# Allegro board PCIE_FIBER_BOARD-1116.brd (continued)
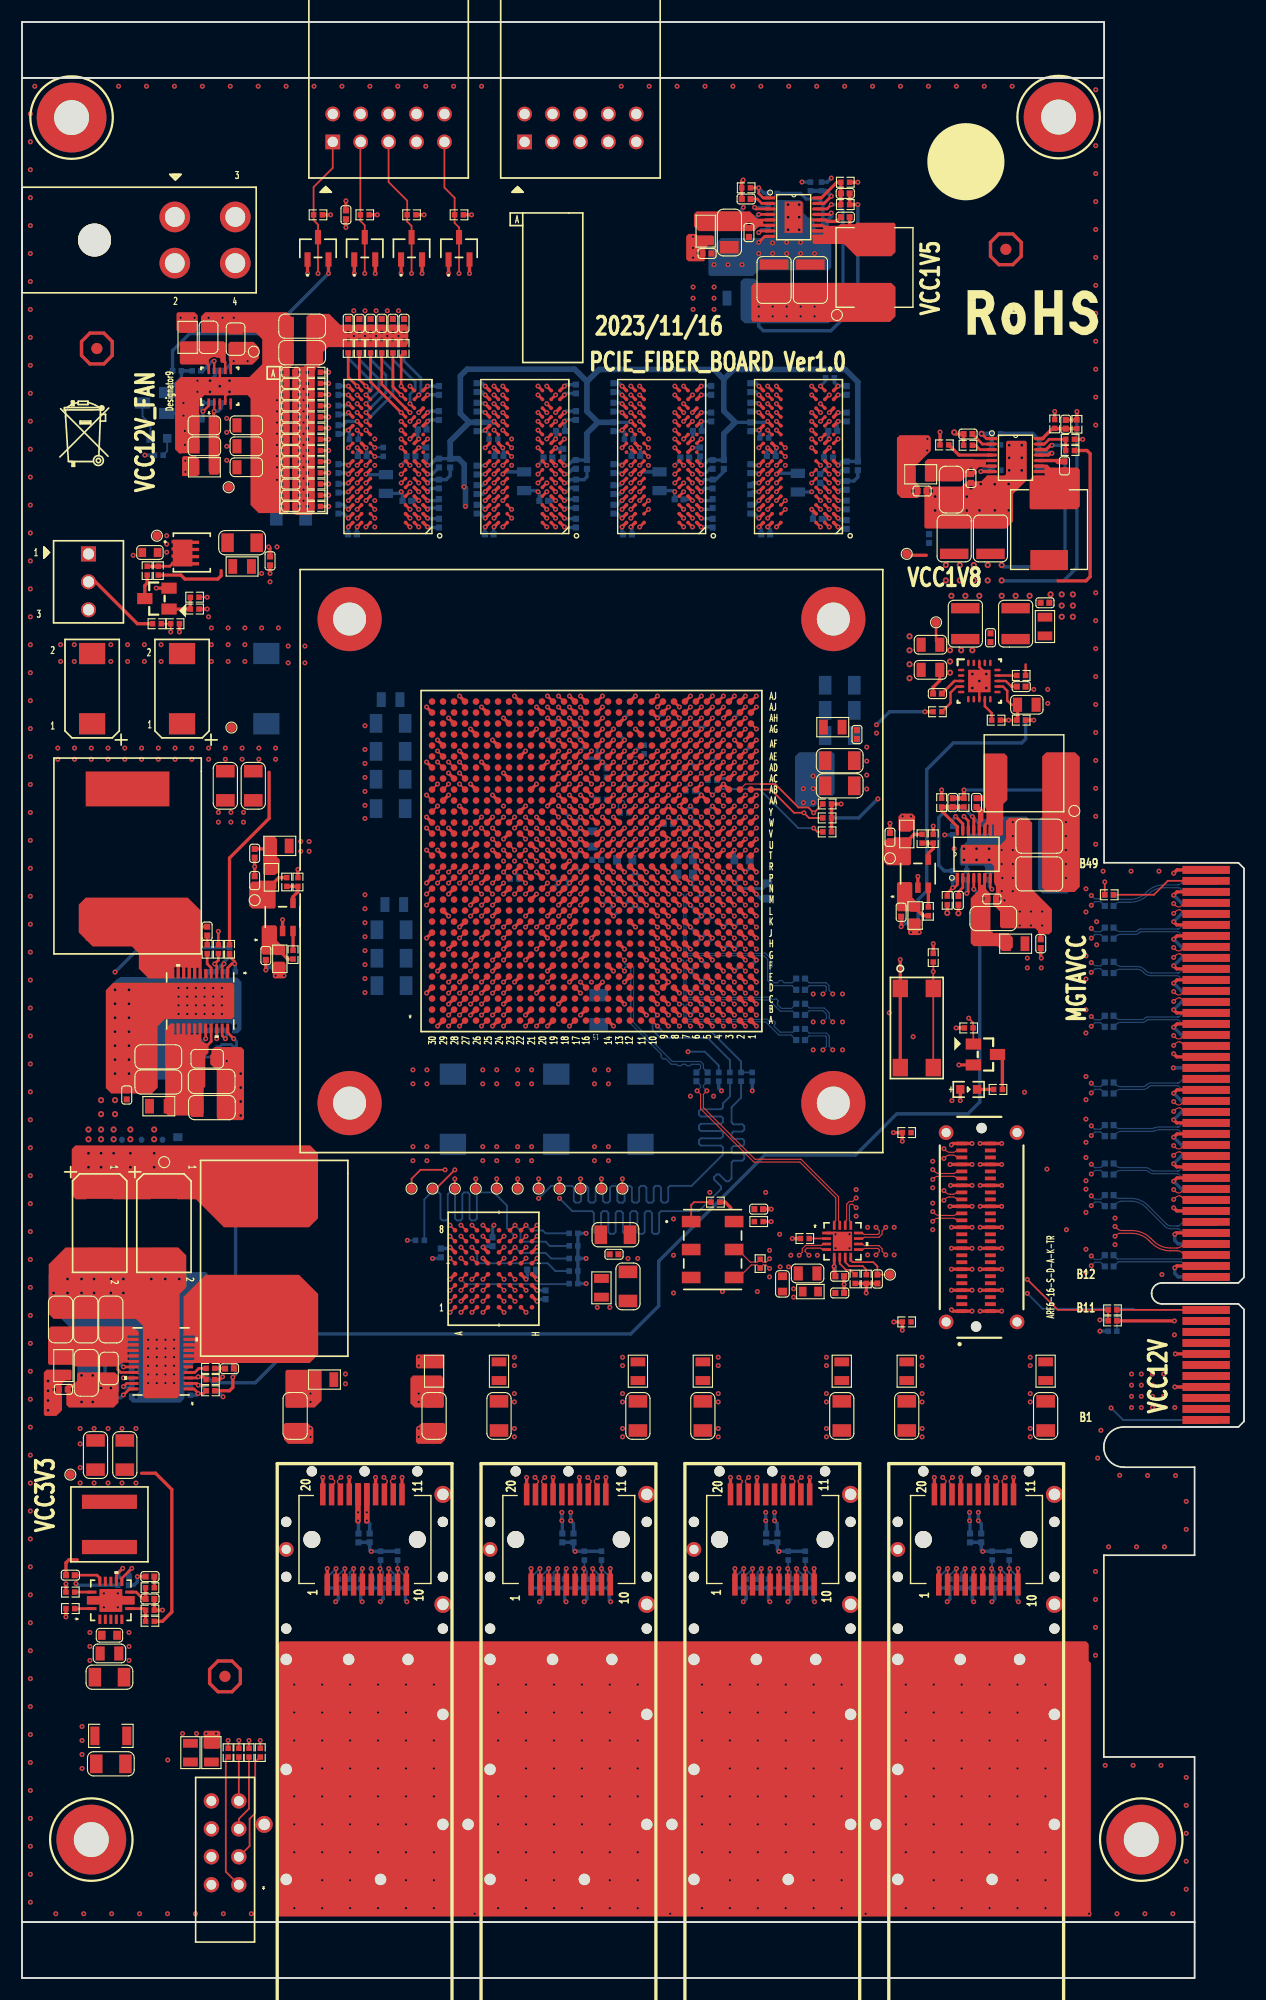
[diagram p0: board, top side]
## Routing (per net, layer and track width the routed paths; a pad name or vN(x,y) marks a point on that pad's centre or on a via; arc(x,y) is an arc through that point) (continued)
BPI_FLASH_A_25: length 79.8
  TOP w0.165: U247.N30 v1(36.8,98.53) ; U248.B8 v1(39.93,68.43)
  ART03 w0.117: v1(36.8,98.53) 36.25,98.53 35.89,98.17 35.72,98.17 35.41,98.48 35.25,98.48 35.08,98.31 35.08,98.15 35.39,97.83 35.39,97.67 35.23,97.5 35.06,97.5 34.75,97.82 34.58,97.82 34.42,97.65 34.42,97.49 34.73,97.17 34.73,97.01 34.57,96.84 34.4,96.84 34.09,97.16 33.92,97.16 33.76,96.99 33.76,96.83 34.07,96.51 34.07,96.35 33.63,95.91 33.63,95.21 33.52,95.1 32.1,95.1 31.98,94.98 31.98,94.75 32.1,94.63 33.52,94.63 33.63,94.51 33.63,94.07 33.52,93.96 31.77,93.96 31.65,93.84 31.65,93.61 31.77,93.49 33.52,93.49 33.63,93.37 33.63,93.14 33.52,93.02 31.77,93.02 31.65,92.91 31.65,92.67 31.77,92.55 33.52,92.55 33.63,92.44 33.63,92.2 33.52,92.09 31.77,92.09 31.65,91.97 31.65,91.74 31.77,91.62 33.52,91.62 33.63,91.5 33.63,91.27 33.52,91.15 31.77,91.15 31.65,91.04 31.65,90.8 31.77,90.69 33.52,90.69 33.63,90.57 33.63,90.33 33.52,90.22 31.77,90.22 31.65,90.1 31.65,89.87 31.77,89.75 33.52,89.75 33.63,89.63 33.63,89.4 33.52,89.28 31.77,89.28 31.65,89.17 31.65,88.93 31.77,88.82 33.52,88.82 33.63,88.7 33.63,88.38 33.52,88.26 32.09,88.26 31.97,88.15 31.97,87.91 32.09,87.79 33.52,87.79 33.63,87.68 33.63,87.44 33.52,87.33 32.09,87.33 31.97,87.21 31.97,86.98 32.09,86.86 33.52,86.86 33.63,86.74 33.63,69.4 35.16,67.88 35.92,67.88 36.03,67.76 36.03,66.36 36.15,66.24 36.39,66.24 36.5,66.36 36.5,67.76 36.62,67.88 36.85,67.88 36.97,67.76 36.97,66.36 37.09,66.24 37.32,66.24 37.44,66.36 37.44,67.76 37.55,67.88 39.38,67.88 v1(39.93,68.43)
BPI_FLASH_ADV_B: length 82.2
  TOP w0.165: U248.F6 v1(44.85,66.43) ; U247.M30 v1(36.8,97.53)
  ART10 w0.117: v1(36.8,97.53) 35.84,96.57 35.84,85.98 35.96,85.86 36.73,85.86 36.85,85.75 36.85,85.51 36.73,85.39 35.96,85.39 35.84,85.28 35.84,84.24 36.07,84.01 36.23,84.01 37.44,85.22 37.61,85.22 37.77,85.06 37.77,84.89 36.56,83.68 36.56,83.51 36.73,83.35 36.89,83.35 38.1,84.56 38.27,84.56 38.43,84.39 38.43,84.23 37.32,83.11 37.32,82.47 37.43,82.36 39.08,82.36 39.2,82.24 39.2,82.01 39.08,81.89 37.4,81.89 37.28,81.77 37.28,81.54 37.4,81.42 39.08,81.42 39.2,81.31 39.2,81.07 39.08,80.95 37.4,80.95 37.28,80.84 37.28,80.6 37.4,80.49 39.08,80.49 39.2,80.37 39.2,80.14 39.08,80.02 37.4,80.02 37.28,79.9 37.28,79.67 37.4,79.55 39.08,79.55 39.2,79.44 39.2,79.2 39.08,79.09 37.4,79.09 37.28,78.97 37.28,78.73 37.4,78.62 39.08,78.62 39.2,78.5 39.2,78.27 39.08,78.15 37.4,78.15 37.28,78.03 37.28,77.8 37.4,77.68 39.08,77.68 39.2,77.57 39.2,77.33 39.08,77.22 37.4,77.22 37.28,77.1 37.28,73.15 41.18,69.25 41.54,69.25 41.65,69.37 41.65,71.13 41.77,71.25 42,71.25 42.12,71.13 42.12,69.37 42.24,69.25 42.47,69.25 42.59,69.37 42.59,71.25 42.71,71.36 42.94,71.36 43.06,71.25 43.06,69.37 43.17,69.25 44.23,69.25 44.34,69.13 44.34,68.81 44.23,68.7 44.07,68.7 43.95,68.58 43.95,68.35 44.07,68.23 44.23,68.23 44.34,68.11 44.34,66.93 v1(44.85,66.43)
  BOTTOM w0.165: R1154.2 48.13,65.41 47.62,65.91 45.36,65.91 v1(44.85,66.43)
BPI_FLASH_CE_B: length 90
  TOP w0.165: U248.B4 v1(39.93,63.51) ; U247.U19 v1(47.8,103.53)
  ART03 w0.117: v1(47.8,103.53) 47.71,103.53 47.22,103.04 47.22,101.26 46.95,100.99 43.45,100.99 43,101.43 42.4,101.43 42.28,101.32 42.28,101.11 42.17,100.99 41.93,100.99 41.81,101.11 41.81,101.32 41.7,101.43 41.46,101.43 41.35,101.32 41.35,101.11 41.23,100.99 41,100.99 40.88,101.11 40.88,101.32 40.76,101.43 40.53,101.43 40.41,101.32 40.41,101.11 40.3,100.99 40.06,100.99 39.95,101.11 39.95,101.32 39.83,101.43 39.59,101.43 39.48,101.32 39.48,101.11 39.36,100.99 39.13,100.99 39.01,101.11 39.01,101.32 38.89,101.43 34.17,101.43 33.86,101.13 33.86,100.96 33.98,100.84 33.98,100.67 33.82,100.51 33.65,100.51 33.53,100.63 33.36,100.63 33.2,100.47 33.2,100.3 33.32,100.17 33.32,100.01 33.16,99.84 32.99,99.84 32.87,99.97 32.7,99.97 32.32,99.59 32.32,97.36 31.69,96.73 31.17,96.73 29.51,95.07 29.51,94.55 29.39,94.43 28.38,94.43 28.27,94.32 28.27,94.08 28.38,93.97 29.39,93.97 29.51,93.85 29.51,93.61 29.39,93.5 28.38,93.5 28.27,93.38 28.27,93.15 28.38,93.03 29.39,93.03 29.51,92.91 29.51,92.68 29.39,92.56 28.38,92.56 28.27,92.45 28.27,92.21 28.38,92.1 29.39,92.1 29.51,91.98 29.51,91.75 29.39,91.63 28.38,91.63 28.27,91.51 28.27,91.28 28.38,91.16 29.39,91.16 29.51,91.04 29.51,90.81 29.39,90.69 28.38,90.69 28.27,90.58 28.27,90.34 28.38,90.23 29.39,90.23 29.51,90.11 29.51,89.88 29.39,89.76 28.38,89.76 28.27,89.64 28.27,89.41 28.38,89.29 29.39,89.29 29.51,89.17 29.51,86.11 30.77,84.85 30.77,82.84 32.63,80.98 32.63,68.42 36.6,64.45 38.99,64.45 v1(39.93,63.51)
  BOTTOM w0.165: v1(39.93,63.51) 40.37,63.07 49.71,63.07 R1152.2
BPI_FLASH_CLK: length 65.3
  TOP w0.165: U248.E6 v1(43.85,66.43)
  ART03 w0.117: v1(46.99,70.87) 47.46,70.4 47.46,66.38 46.99,65.91 44.36,65.91 v1(43.85,66.43)
  BOTTOM w0.165: v1(46.99,70.87) 48.13,72.01 50.03,72.01 50.19,71.84 50.19,70.65 50.36,70.48 50.69,70.48 50.85,70.65 50.85,71.84 51.02,72.01 51.35,72.01 51.51,71.84 51.51,70.65 51.68,70.48 52.01,70.48 52.17,70.65 52.17,71.84 52.34,72.01 52.67,72.01 52.83,71.84 52.83,70.65 53,70.48 53.33,70.48 53.49,70.65 53.49,71.84 53.66,72.01 53.99,72.01 54.15,71.84 54.15,70.65 54.32,70.48 54.65,70.48 54.81,70.65 54.81,71.84 54.98,72.01 55.31,72.01 55.47,71.84 55.47,70.65 55.64,70.48 55.97,70.48 56.13,70.65 56.13,71.84 56.3,72.01 56.63,72.01 56.79,71.84 56.79,70.65 56.96,70.48 57.29,70.48 57.46,70.65 57.46,71.84 57.62,72.01 57.95,72.01 58.12,71.84 58.12,70.65 58.28,70.48 58.61,70.48 58.78,70.65 58.78,71.84 58.94,72.01 60.91,72.01 63.75,74.85 63.75,75.5 63.59,75.67 61.74,75.67 61.58,75.83 61.58,76.16 61.74,76.33 63.59,76.33 63.75,76.49 63.75,76.82 63.59,76.99 61.74,76.99 61.58,77.15 61.58,77.48 61.74,77.65 63.59,77.65 63.75,77.81 63.75,78.14 63.59,78.31 61.74,78.31 61.58,78.47 61.58,78.8 61.74,78.97 63.59,78.97 63.75,79.13 63.75,79.5 64.39,80.14 R1150.2
BPI_FLASH_DQ_0: length 81.8
  TOP w0.165: U247.P24 v1(42.8,99.53) ; U248.F2 v1(44.85,61.51)
  ART08 w0.117: v1(42.8,99.53) 42.33,99.06 41.4,99.06 40.39,98.04 35.69,98.04 33.53,95.88 33.53,94.54 33.41,94.42 32.63,94.42 32.51,94.3 32.51,94.07 32.63,93.95 33.41,93.95 33.53,93.83 33.53,93.6 33.41,93.48 32.63,93.48 32.51,93.37 32.51,93.13 32.63,93.02 33.41,93.02 33.53,92.9 33.53,92.67 33.41,92.55 32.63,92.55 32.51,92.43 32.51,92.2 32.63,92.08 33.41,92.08 33.53,91.96 33.53,91.73 33.41,91.61 32.63,91.61 32.51,91.5 32.51,91.26 32.63,91.15 33.41,91.15 33.53,91.03 33.53,90.8 33.41,90.68 32.63,90.68 32.51,90.56 32.51,90.33 32.63,90.21 33.41,90.21 33.53,90.1 33.53,89.86 33.41,89.74 32.63,89.74 32.51,89.63 32.51,89.39 32.63,89.28 33.41,89.28 33.53,89.16 33.53,88.93 33.41,88.81 32.63,88.81 32.51,88.69 32.51,88.46 32.63,88.34 33.41,88.34 33.53,88.23 33.53,87.99 33.41,87.88 32.63,87.88 32.51,87.76 32.51,87.52 32.63,87.41 33.41,87.41 33.53,87.29 33.53,87.06 33.41,86.94 32.63,86.94 32.51,86.82 32.51,86.59 32.63,86.47 33.41,86.47 33.53,86.36 33.53,86.12 33.41,86.01 32.63,86.01 32.51,85.89 32.51,85.66 32.63,85.54 33.41,85.54 33.53,85.42 33.53,85.19 33.41,85.07 32.63,85.07 32.51,84.95 32.51,84.72 32.63,84.6 33.41,84.6 33.53,84.49 33.53,82.4 39.3,76.62 47.44,76.62 49.33,74.73 49.33,71.68 49.89,71.12 49.89,70.18 49.33,68.82 49.33,62.48 47.88,61.04 45.32,61.04 v1(44.85,61.51)
BPI_FLASH_DQ_1: length 82
  TOP w0.165: U247.R25 v1(41.8,100.53) ; U248.E2 v1(43.85,61.51)
  ART08 w0.117: v1(43.85,61.51) 44.15,61.51 45.62,60.05 47.45,60.05 49.66,62.26 49.66,68.39 50.29,69.02 50.29,71.23 49.66,71.86 49.66,75.18 47.24,77.6 46.62,77.6 46.51,77.48 46.51,77.28 46.39,77.17 46.16,77.17 46.04,77.28 46.04,77.48 45.92,77.6 45.69,77.6 45.57,77.48 45.57,77.28 45.46,77.17 45.22,77.17 45.11,77.28 45.11,77.48 44.99,77.6 44.75,77.6 44.64,77.48 44.64,77.28 44.52,77.17 44.29,77.17 44.17,77.28 44.17,77.48 44.05,77.6 43.82,77.6 43.7,77.48 43.7,77.28 43.59,77.17 43.35,77.17 43.24,77.28 43.24,77.48 43.12,77.6 42.89,77.6 42.77,77.48 42.77,77.28 42.65,77.17 42.42,77.17 42.3,77.28 42.3,77.48 42.18,77.6 41.95,77.6 41.83,77.48 41.83,77.28 41.72,77.17 41.48,77.17 41.37,77.28 41.37,77.48 41.25,77.6 41.02,77.6 40.9,77.48 40.9,77.28 40.78,77.17 40.55,77.17 40.43,77.28 40.43,77.48 40.31,77.6 39.88,77.6 39.27,78.21 39.1,78.21 38.7,77.81 38.54,77.81 38.37,77.97 38.37,78.14 38.77,78.54 38.77,78.7 38.6,78.87 38.44,78.87 38.04,78.47 37.87,78.47 37.71,78.64 37.71,78.8 38.11,79.2 38.11,79.37 37.94,79.53 37.78,79.53 37.38,79.13 37.21,79.13 37.05,79.3 37.05,79.46 37.45,79.86 37.45,80.03 37.28,80.19 37.12,80.19 36.72,79.79 36.55,79.79 36.39,79.96 36.39,80.12 36.79,80.52 36.79,80.69 35.38,82.1 35.21,82.1 34.81,81.7 34.65,81.7 34.48,81.86 34.48,82.03 34.88,82.43 34.88,82.59 34.16,83.31 34.16,95.79 35.4,97.03 37.27,97.03 37.39,97.14 37.39,97.65 37.51,97.76 37.74,97.76 37.86,97.65 37.86,97.14 37.98,97.03 38.21,97.03 38.33,97.14 38.33,97.65 38.44,97.76 38.68,97.76 38.79,97.65 38.79,97.14 38.91,97.03 39.14,97.03 39.26,97.14 39.26,97.65 39.38,97.76 39.61,97.76 39.73,97.65 39.73,97.14 39.84,97.03 42.93,97.03 43.31,97.41 43.31,100.2 42.98,100.53 v1(41.8,100.53)
BPI_FLASH_DQ_2: length 81.6
  TOP w0.165: U247.R20 v1(47.8,100.53) ; U248.G3 v1(45.85,62.51)
  ART08 w0.117: v1(45.85,62.51) 45.31,63.04 44.65,63.04 44.32,63.37 44.32,63.63 43.89,64.06 43.48,64.06 42.95,63.53 42.95,59.59 43.89,58.65 47.68,58.65 50.75,61.72 50.75,67.74 51.33,68.33 51.33,72.87 50.67,73.53 50.67,76.02 47.74,78.95 42.03,78.95 35.94,85.04 35.94,92.85 37.2,94.11 39.44,94.11 39.56,93.99 39.56,93.59 39.67,93.47 39.91,93.47 40.02,93.59 40.02,93.99 40.14,94.11 40.37,94.11 40.49,93.99 40.49,93.59 40.61,93.47 40.84,93.47 40.96,93.59 40.96,93.99 41.08,94.11 41.31,94.11 41.43,93.99 41.43,93.59 41.54,93.47 41.78,93.47 41.89,93.59 41.89,93.99 42.01,94.11 42.24,94.11 42.36,93.99 42.36,93.59 42.48,93.47 42.71,93.47 42.83,93.59 42.83,93.99 42.94,94.11 45.85,94.11 46.35,94.61 46.35,99.44 47.44,100.53 v1(47.8,100.53)
BPI_FLASH_DQ_3: length 81.9
  TOP w0.165: U248.E4 v1(43.85,63.51) ; U247.R21 v1(45.8,101.53)
  ART08 w0.117: v1(45.8,101.53) 45.4,101.53 44.96,101.09 44.58,101.09 44.32,100.84 44.32,97.41 42.93,96.01 40.14,96.01 40.02,96.13 40.02,96.69 39.91,96.81 39.67,96.81 39.56,96.69 39.56,96.13 39.44,96.01 38.38,96.01 38.26,96.13 38.26,96.69 38.14,96.81 37.91,96.81 37.79,96.69 37.79,96.13 37.67,96.01 37.44,96.01 37.32,96.13 37.32,96.69 37.21,96.81 36.97,96.81 36.86,96.69 36.86,96.13 36.74,96.01 36.48,96.01 36.26,95.78 36.09,95.78 35.75,96.12 35.59,96.12 35.42,95.96 35.42,95.79 35.76,95.45 35.76,95.29 35.6,95.12 35.43,95.12 35.09,95.46 34.93,95.46 34.76,95.3 34.76,95.13 35.1,94.79 35.1,94.63 34.67,94.2 34.67,84.1 36.89,81.88 37.06,81.88 37.3,82.13 37.47,82.13 37.64,81.96 37.64,81.8 37.39,81.55 37.39,81.38 37.55,81.22 37.72,81.22 37.97,81.47 38.13,81.47 38.3,81.3 38.3,81.14 38.05,80.89 38.05,80.72 38.21,80.56 38.38,80.56 38.63,80.8 38.79,80.8 38.96,80.64 38.96,80.47 38.71,80.23 38.71,80.06 38.88,79.89 39.04,79.89 39.29,80.14 39.45,80.14 39.62,79.98 39.62,79.81 39.37,79.56 39.37,79.4 39.54,79.23 39.7,79.23 39.95,79.48 40.12,79.48 40.28,79.32 40.28,79.15 40.03,78.9 40.03,78.74 40.75,78.02 47.42,78.02 49.99,75.45 49.99,72.18 50.61,71.55 50.61,68.88 49.99,68.25 49.99,62.05 47.68,59.74 45.26,59.74 44.02,60.99 43.54,60.99 43.31,61.21 43.31,62.97 v1(43.85,63.51)
BPI_FLASH_DQ_4: length 81.9
  TOP w0.165: U248.E5 v1(43.85,65.43) ; U247.T20 v1(47.8,101.53)
  ART08 w0.117: v1(47.8,101.53) 47.8,101.3 48.26,100.84 48.26,100.33 47.88,99.95 47.36,99.95 47.24,99.83 47.24,94.74 45.59,93.09 40.12,93.09 40,92.97 40,92.4 39.89,92.28 39.65,92.28 39.54,92.4 39.54,92.97 39.42,93.09 39.19,93.09 39.07,92.97 39.07,92.4 38.95,92.28 38.72,92.28 38.6,92.4 38.6,92.97 38.48,93.09 37.33,93.09 36.27,92.03 36.27,85.5 41.92,79.85 43.11,79.85 43.23,79.73 43.23,79.61 43.35,79.5 43.58,79.5 43.7,79.61 43.7,79.73 43.82,79.85 47.43,79.85 51.03,76.25 51.03,73.74 51.74,73.02 51.74,62.28 47.47,58.01 43.76,58.01 42.55,59.23 42.55,64.13 v1(43.85,65.43)
BPI_FLASH_DQ_5: length 81.7
  TOP w0.165: U247.T21 v1(46.8,101.53) ; U248.G5 v1(45.85,65.43)
  ART08 w0.102: 47.09,103.83 47.4,103.53 47.4,101.76 47.17,101.53 v1(46.8,101.53)
  ART08 w0.117: 47.09,103.83 46.94,103.99 45.59,103.99 45.29,104.29 45.29,105.64 44.88,106.05 41.57,106.05 39.89,105.35 37.59,105.35 36.9,106.05 31.61,106.05 30.98,105.79 24.31,99.11 24.31,76.89 32.21,68.99 43.03,68.99 43.41,68.61 43.41,67.24 43.66,66.99 44.92,66.99 45.34,66.57 45.34,65.93 v1(45.85,65.43)
BPI_FLASH_DQ_6: length 81.6
  TOP w0.165: U248.G6 v1(45.85,66.43) ; U247.T22 v1(45.8,102.53)
  ART08 w0.117: v1(45.8,102.53) 45.5,102.53 44.02,104.01 40.06,104.01 39.95,104.13 39.95,104.69 39.83,104.81 39.6,104.81 39.48,104.69 39.48,104.13 39.36,104.01 36.26,104.01 36.14,104.13 36.14,104.62 36.03,104.73 35.79,104.73 35.68,104.62 35.68,104.13 35.56,104.01 35.33,104.01 35.21,104.13 35.21,104.62 35.09,104.73 34.86,104.73 34.74,104.62 34.74,104.13 34.62,104.01 34.39,104.01 34.27,104.13 34.27,104.62 34.16,104.73 33.92,104.73 33.81,104.62 33.81,104.13 33.69,104.01 33.46,104.01 33.34,104.13 33.34,104.62 33.22,104.73 32.99,104.73 32.87,104.62 32.87,104.13 32.76,104.01 32.13,104.01 31.75,103.63 31.11,103.63 30.89,103.4 30.72,103.4 30.62,103.51 30.45,103.51 30.29,103.34 30.29,103.18 30.39,103.07 30.39,102.91 30.23,102.74 30.06,102.74 29.96,102.85 29.79,102.85 29.63,102.68 29.63,102.52 29.73,102.41 29.73,102.25 29.57,102.08 29.4,102.08 29.3,102.19 29.13,102.19 28.97,102.02 28.97,101.86 29.07,101.75 29.07,101.59 28.9,101.42 28.74,101.42 28.63,101.52 28.47,101.52 28.3,101.36 28.3,101.19 28.41,101.09 28.41,100.92 28.24,100.76 28.08,100.76 27.97,100.86 27.81,100.86 27.64,100.7 27.64,100.53 27.75,100.43 27.75,100.26 27.58,100.1 27.42,100.1 27.31,100.2 27.15,100.2 26.98,100.04 26.98,99.87 27.09,99.77 27.09,99.6 26.92,99.44 26.75,99.44 26.65,99.54 26.49,99.54 26.32,99.37 26.32,99.21 26.42,99.11 26.42,98.94 26.26,98.78 26.09,98.78 25.99,98.88 25.82,98.88 25.66,98.71 25.66,98.55 25.76,98.44 25.76,98.28 25.2,97.71 25.2,77.53 32.87,69.85 44.22,69.85 45.34,68.73 45.34,67.21 45.85,66.7 v1(45.85,66.43)
BPI_FLASH_DQ_7: length 81.9
  TOP w0.165: U247.T23 v1(43.8,102.53) ; U248.H7 v1(46.85,67.43)
  ART08 w0.117: v1(46.85,67.43) 46.41,67.87 46.41,68.86 46.1,69.16 45.57,69.16 44.29,70.44 32.79,70.44 25.7,77.53 25.7,96.82 26.29,97.41 26.29,97.58 26.04,97.83 26.04,97.99 26.21,98.16 26.37,98.16 26.62,97.91 26.79,97.91 26.95,98.07 26.95,98.24 26.7,98.49 26.7,98.65 26.87,98.82 27.04,98.82 27.28,98.57 27.45,98.57 27.61,98.73 27.61,98.9 27.37,99.15 27.37,99.31 27.53,99.48 27.7,99.48 27.95,99.23 28.11,99.23 28.28,99.4 28.28,99.56 28.03,99.81 28.03,99.98 28.19,100.14 28.36,100.14 28.61,99.89 28.77,99.89 28.94,100.06 28.94,100.22 28.69,100.47 28.69,100.64 28.85,100.8 29.02,100.8 29.27,100.55 29.43,100.55 29.6,100.72 29.6,100.88 29.35,101.13 29.35,101.3 29.52,101.46 29.68,101.46 29.93,101.21 30.09,101.21 30.26,101.38 30.26,101.55 30.01,101.79 30.01,101.96 30.18,102.13 30.34,102.13 30.59,101.88 30.76,101.88 31.15,102.27 31.15,102.44 31.08,102.5 31.08,102.67 31.25,102.83 31.41,102.83 31.48,102.77 31.65,102.77 32,103.12 32.69,103.12 32.81,103.24 32.81,103.53 32.93,103.65 33.16,103.65 33.28,103.53 33.28,103.24 33.39,103.12 33.63,103.12 33.74,103.24 33.74,103.53 33.86,103.65 34.1,103.65 34.21,103.53 34.21,103.24 34.33,103.12 34.56,103.12 34.68,103.24 34.68,103.53 34.8,103.65 35.03,103.65 35.15,103.53 35.15,103.24 35.26,103.12 35.5,103.12 35.61,103.24 35.61,103.53 35.73,103.65 35.96,103.65 36.08,103.53 36.08,103.24 36.2,103.12 36.43,103.12 36.55,103.24 36.55,103.53 36.67,103.65 36.9,103.65 37.02,103.53 37.02,103.24 37.13,103.12 37.37,103.12 37.48,103.24 37.48,103.53 37.6,103.65 37.83,103.65 37.95,103.53 37.95,103.24 38.07,103.12 38.3,103.12 38.42,103.24 38.42,103.53 38.54,103.65 38.77,103.65 38.89,103.53 38.89,103.24 39,103.12 39.24,103.12 39.35,103.24 39.35,103.53 39.47,103.65 39.7,103.65 39.82,103.53 39.82,103.24 39.94,103.12 40.17,103.12 40.29,103.24 40.29,103.53 40.4,103.65 40.64,103.65 40.76,103.53 40.76,103.24 40.87,103.12 41.11,103.12 41.22,103.24 41.22,103.53 41.34,103.65 41.57,103.65 41.69,103.53 41.69,103.24 41.81,103.12 43.2,103.12 v1(43.8,102.53)
BPI_FLASH_DQ_8: length 81.8
  TOP w0.165: U247.U20 v1(46.8,103.53) ; U248.E1 v1(43.85,60.51)
  ART08 w0.102: v1(46.8,103.53) 46.8,103.14 47.2,102.74 47.2,102.32 46.86,101.98
  ART08 w0.117: v1(43.85,60.51) 44.25,60.1 44.25,59.94 43.77,59.46 43.77,59.29 43.94,59.13 44.1,59.13 44.58,59.61 44.75,59.61 45.1,59.26 47.73,59.26 50.32,61.85 50.32,68.05 50.95,68.68 50.95,71.77 50.32,72.4 50.32,75.92 47.65,78.58 41.43,78.58 35.05,84.96 35.05,93.85 36.2,95 37.39,95 37.5,94.88 37.5,94.44 37.62,94.33 37.85,94.33 37.97,94.44 37.97,94.88 38.09,95 38.32,95 38.44,94.88 38.44,94.44 38.55,94.33 38.79,94.33 38.91,94.44 38.91,94.88 39.02,95 40.35,95 40.47,95.11 40.47,95.52 40.59,95.64 40.82,95.64 40.94,95.52 40.94,95.11 41.05,95 41.29,95 41.4,95.11 41.4,95.52 41.52,95.64 41.75,95.64 41.87,95.52 41.87,95.11 41.99,95 45.21,95 45.34,95.12 45.34,95.94 45.22,96.05 44.75,96.05 44.64,96.17 44.64,96.4 44.75,96.52 45.22,96.52 45.34,96.64 45.34,96.87 45.22,96.99 44.75,96.99 44.64,97.1 44.64,97.34 44.75,97.45 45.22,97.45 45.34,97.57 45.34,99.19 45.22,99.3 44.66,99.3 44.54,99.42 44.54,99.65 44.66,99.77 45.22,99.77 45.34,99.89 45.34,100.71 45.72,101.09 46.1,101.09 46.35,101.35 46.35,101.85 46.48,101.98 46.86,101.98
BPI_FLASH_DQ_9: length 82
  TOP w0.165: U247.P29 v1(37.8,99.53) ; U248.E3 v1(43.85,62.51)
  ART08 w0.117: v1(43.85,62.51) 43.91,62.51 44.45,61.98 45.09,61.98 45.47,61.59 46.25,61.59 46.69,62.03 47.9,62.03 48.9,63.02 48.9,69.75 48.29,70.36 48.29,73.28 48.17,73.4 47.89,73.4 47.77,73.52 47.77,73.75 47.89,73.87 48.17,73.87 48.29,73.99 48.29,74.31 47.57,75.02 47.4,75.02 47.31,74.93 47.14,74.93 46.98,75.1 46.98,75.26 47.07,75.36 47.07,75.52 46.39,76.2 44.31,76.2 44.19,76.08 44.19,75.34 44.08,75.22 43.84,75.22 43.72,75.34 43.72,76.08 43.61,76.2 39.04,76.2 37.85,77.39 37.69,77.39 37.29,76.99 37.12,76.99 36.96,77.15 36.96,77.32 37.36,77.72 37.36,77.88 37.19,78.05 37.03,78.05 36.63,77.65 36.46,77.65 36.29,77.81 36.29,77.98 36.7,78.38 36.7,78.54 36.53,78.71 36.37,78.71 35.96,78.31 35.8,78.31 35.63,78.47 35.63,78.64 36.04,79.04 36.04,79.21 35.87,79.37 35.7,79.37 35.3,78.97 35.14,78.97 34.97,79.14 34.97,79.3 35.37,79.7 35.37,79.87 35.21,80.03 35.04,80.03 34.64,79.63 34.48,79.63 34.31,79.8 34.31,79.96 34.71,80.36 34.71,80.53 34.55,80.69 34.38,80.69 33.98,80.29 33.81,80.29 33.65,80.46 33.65,80.62 34.05,81.03 34.05,81.19 33.89,81.36 33.72,81.36 33.32,80.95 33.15,80.95 32.99,81.12 32.99,81.29 33.39,81.69 33.39,81.85 33.22,82.02 33.06,82.02 32.66,81.62 32.49,81.62 32.33,81.78 32.33,81.95 32.73,82.35 32.73,82.51 32.56,82.68 32.4,82.68 32,82.28 31.83,82.28 31.66,82.44 31.66,82.61 32.07,83.01 32.07,83.17 31.76,83.48 31.15,83.48 31.04,83.6 31.04,83.83 31.15,83.95 31.76,83.95 31.88,84.07 31.88,84.3 31.76,84.42 31.15,84.42 31.04,84.53 31.04,84.77 31.15,84.88 31.76,84.88 31.88,85 31.88,85.23 31.76,85.35 31.15,85.35 31.04,85.47 31.04,85.7 31.15,85.82 31.76,85.82 31.88,85.94 31.88,86.17 31.76,86.29 31.15,86.29 31.04,86.4 31.04,86.64 31.15,86.75 31.76,86.75 31.88,86.87 31.88,87.1 31.76,87.22 31.15,87.22 31.04,87.34 31.04,87.57 31.15,87.69 31.76,87.69 31.88,87.8 31.88,88.04 31.76,88.16 31.15,88.16 31.04,88.27 31.04,88.51 31.15,88.62 31.76,88.62 31.88,88.74 31.88,95.31 35.63,99.06 37.33,99.06 v1(37.8,99.53)
BPI_FLASH_DQ_10: length 81.9
  TOP w0.165: U248.F3 v1(44.85,62.51) ; U247.R29 v1(37.8,100.53)
  ART08 w0.117: v1(37.8,100.53) 36.59,100.53 36.3,100.24 36.13,100.24 35.87,100.5 35.71,100.5 35.54,100.34 35.54,100.17 35.8,99.91 35.8,99.75 35.64,99.58 35.47,99.58 35.21,99.84 35.04,99.84 34.88,99.68 34.88,99.51 35.14,99.25 35.14,99.08 34.98,98.92 34.81,98.92 34.55,99.18 34.38,99.18 34.22,99.02 34.22,98.85 34.48,98.59 34.48,98.42 34.32,98.26 34.15,98.26 33.89,98.52 33.72,98.52 33.56,98.35 33.56,98.19 33.82,97.93 33.82,97.76 33.65,97.6 33.49,97.6 33.23,97.86 33.06,97.86 32.89,97.69 32.89,97.53 33.16,97.26 33.16,97.1 32.99,96.93 32.83,96.93 32.56,97.2 32.4,97.2 32.23,97.03 32.23,96.87 32.5,96.6 32.5,96.44 31.31,95.25 30.86,95.25 30.74,95.13 30.74,94.36 30.62,94.24 30.06,94.24 29.94,94.13 29.94,93.89 30.06,93.78 30.62,93.78 30.74,93.66 30.74,93.43 30.62,93.31 30.06,93.31 29.94,93.19 29.94,92.96 30.06,92.84 30.62,92.84 30.74,92.72 30.74,92.49 30.62,92.37 30.06,92.37 29.94,92.26 29.94,92.02 30.06,91.91 30.62,91.91 30.74,91.79 30.74,91.56 30.62,91.44 30.06,91.44 29.94,91.32 29.94,91.09 30.06,90.97 30.62,90.97 30.74,90.86 30.74,90.62 30.62,90.5 30.06,90.5 29.94,90.39 29.94,90.15 30.06,90.04 30.62,90.04 30.74,89.92 30.74,89.69 30.62,89.57 30.06,89.57 29.94,89.45 29.94,89.22 30.06,89.1 30.62,89.1 30.74,88.99 30.74,88.75 30.62,88.64 30.06,88.64 29.94,88.52 29.94,88.28 30.06,88.17 30.62,88.17 30.74,88.05 30.74,87.82 30.62,87.7 30.06,87.7 29.94,87.58 29.94,87.35 30.06,87.23 30.62,87.23 30.74,87.12 30.74,86.88 30.62,86.77 30.06,86.77 29.94,86.65 29.94,86.42 30.06,86.3 30.62,86.3 30.74,86.18 30.74,85.95 30.62,85.83 30.06,85.83 29.94,85.71 29.94,85.48 30.06,85.36 30.62,85.36 30.74,85.25 30.74,85.01 30.62,84.9 30.06,84.9 29.94,84.78 29.94,84.55 30.06,84.43 30.62,84.43 30.74,84.31 30.74,82.95 38.76,74.93 39.22,74.93 39.34,75.05 39.34,75.79 39.45,75.91 39.69,75.91 39.8,75.79 39.8,75.05 39.92,74.93 40.15,74.93 40.27,75.05 40.27,75.79 40.39,75.91 40.62,75.91 40.74,75.79 40.74,75.05 40.85,74.93 45.34,74.93 45.72,74.55 45.72,73.96 46.3,73.38 47.05,73.38 47.88,72.55 47.88,70.33 48.59,69.62 48.59,64.11 47.52,63.04 46.79,63.04 46.38,62.64 46.38,62.31 46.13,62.05 45.64,62.05 45.18,62.51 v1(44.85,62.51)
BPI_FLASH_DQ_11: length 81.7
  TOP w0.165: U247.P27 v1(39.8,99.53) ; U248.F4 v1(44.85,63.51)
  ART08 w0.117: v1(39.8,99.53) 39.33,99.06 38.47,99.06 38.35,99.18 38.35,100.71 38.1,100.97 35.56,100.97 29.37,94.78 29.37,93.53 29.25,93.42 28.48,93.42 28.36,93.3 28.36,93.07 28.48,92.95 29.25,92.95 29.37,92.83 29.37,92.6 29.25,92.48 28.48,92.48 28.36,92.37 28.36,92.13 28.48,92.02 29.25,92.02 29.37,91.9 29.37,91.66 29.25,91.55 28.48,91.55 28.36,91.43 28.36,91.2 28.48,91.08 29.25,91.08 29.37,90.96 29.37,90.73 29.25,90.61 28.48,90.61 28.36,90.5 28.36,90.26 28.48,90.15 29.25,90.15 29.37,90.03 29.37,89.8 29.25,89.68 28.48,89.68 28.36,89.56 28.36,89.33 28.48,89.21 29.25,89.21 29.37,89.09 29.37,88.86 29.25,88.74 28.48,88.74 28.36,88.63 28.36,88.39 28.48,88.28 29.25,88.28 29.37,88.16 29.37,87.93 29.25,87.81 28.48,87.81 28.36,87.69 28.36,87.46 28.48,87.34 29.25,87.34 29.37,87.22 29.37,86.99 29.25,86.87 28.48,86.87 28.36,86.76 28.36,86.52 28.48,86.41 29.25,86.41 29.37,86.29 29.37,86.06 29.25,85.94 28.48,85.94 28.36,85.82 28.36,85.59 28.48,85.47 29.25,85.47 29.37,85.36 29.37,85.12 29.25,85 28.48,85 28.36,84.89 28.36,84.65 28.48,84.54 29.25,84.54 29.37,84.42 29.37,83.44 33.39,79.42 33.39,75.63 35.14,73.88 38.14,73.88 38.29,74.03 41.4,74.03 41.55,73.88 45.07,73.88 47.56,71.39 47.56,70.12 48.26,69.42 48.26,64.41 47.85,64.01 45.09,64.01 44.85,63.77 v1(44.85,63.51)
BPI_FLASH_DQ_12: length 81.6
  TOP w0.165: U248.F5 v1(44.85,65.43) ; U247.P28 v1(38.8,99.53)
  ART08 w0.117: v1(38.8,99.53) 39.24,99.97 39.24,100.97 38.73,101.47 33.53,101.47 33.19,101.14 33.19,100.97 33.63,100.53 33.63,100.37 33.47,100.2 33.3,100.2 32.86,100.64 32.7,100.64 32.53,100.47 32.53,100.31 32.97,99.87 32.97,99.7 32.8,99.54 32.64,99.54 32.2,99.98 32.03,99.98 27.41,95.35 27.41,78.61 34.06,71.96 34.49,71.96 34.6,72.08 34.6,73.46 34.72,73.58 34.95,73.58 35.07,73.46 35.07,72.08 35.19,71.96 35.42,71.96 35.54,72.08 35.54,73.46 35.65,73.58 35.89,73.58 36,73.46 36,72.08 36.12,71.96 36.36,71.96 36.47,72.08 36.47,73.46 36.59,73.58 36.82,73.58 36.94,73.46 36.94,72.08 37.06,71.96 37.29,71.96 37.41,72.08 37.41,73.46 37.52,73.58 37.76,73.58 37.87,73.46 37.87,72.08 37.99,71.96 45.01,71.96 47.96,69.01 47.96,64.59 47.75,64.39 46.1,64.39 45.06,65.43 v1(44.85,65.43)
BPI_FLASH_DQ_13: length 81.6
  TOP w0.165: U248.H5 v1(46.85,65.43) ; U247.T30 v1(36.8,102.53)
  ART08 w0.117: v1(46.85,65.43) 47.2,65.43 47.32,65.54 47.32,68.61 45.91,70.02 45.74,70.02 45.52,69.79 45.36,69.79 45.19,69.96 45.19,70.12 45.41,70.35 45.41,70.51 45.19,70.74 32.91,70.74 26.09,77.56 26.09,95.01 26.89,95.81 26.89,95.97 26.17,96.7 26.17,96.86 26.33,97.03 26.5,97.03 27.22,96.31 27.39,96.31 27.55,96.47 27.55,96.64 26.83,97.36 26.83,97.53 26.99,97.69 27.16,97.69 27.88,96.97 28.05,96.97 28.21,97.13 28.21,97.3 27.49,98.02 27.49,98.19 27.65,98.35 27.82,98.35 28.54,97.63 28.71,97.63 28.87,97.79 28.87,97.96 28.15,98.68 28.15,98.85 28.32,99.01 28.48,99.01 29.2,98.29 29.37,98.29 29.53,98.46 29.53,98.62 28.81,99.34 28.81,99.51 28.98,99.67 29.14,99.67 29.87,98.95 30.03,98.95 30.2,99.12 30.2,99.28 29.47,100.01 29.47,100.17 29.64,100.34 29.8,100.34 30.53,99.61 30.69,99.61 30.86,99.78 30.86,99.94 30.13,100.67 30.13,100.83 30.3,101 30.46,101 31.19,100.27 31.35,100.27 32.6,101.52 32.6,101.69 31.96,102.33 31.96,102.5 32.12,102.66 32.29,102.66 32.93,102.02 33.1,102.02 33.26,102.18 33.6,102.18 33.71,102.29 33.71,102.68 33.83,102.79 34.07,102.79 34.18,102.68 34.18,102.29 34.3,102.18 34.53,102.18 34.65,102.29 34.65,102.68 34.77,102.79 35,102.79 35.12,102.68 35.12,102.29 35.23,102.18 36.45,102.18 v1(36.8,102.53)
BPI_FLASH_DQ_14: length 81.9
  TOP w0.165: U247.P26 v1(40.8,99.53) ; U248.G7 v1(45.85,67.43)